# Allegro board BeagleBone-AI.brd (continued)
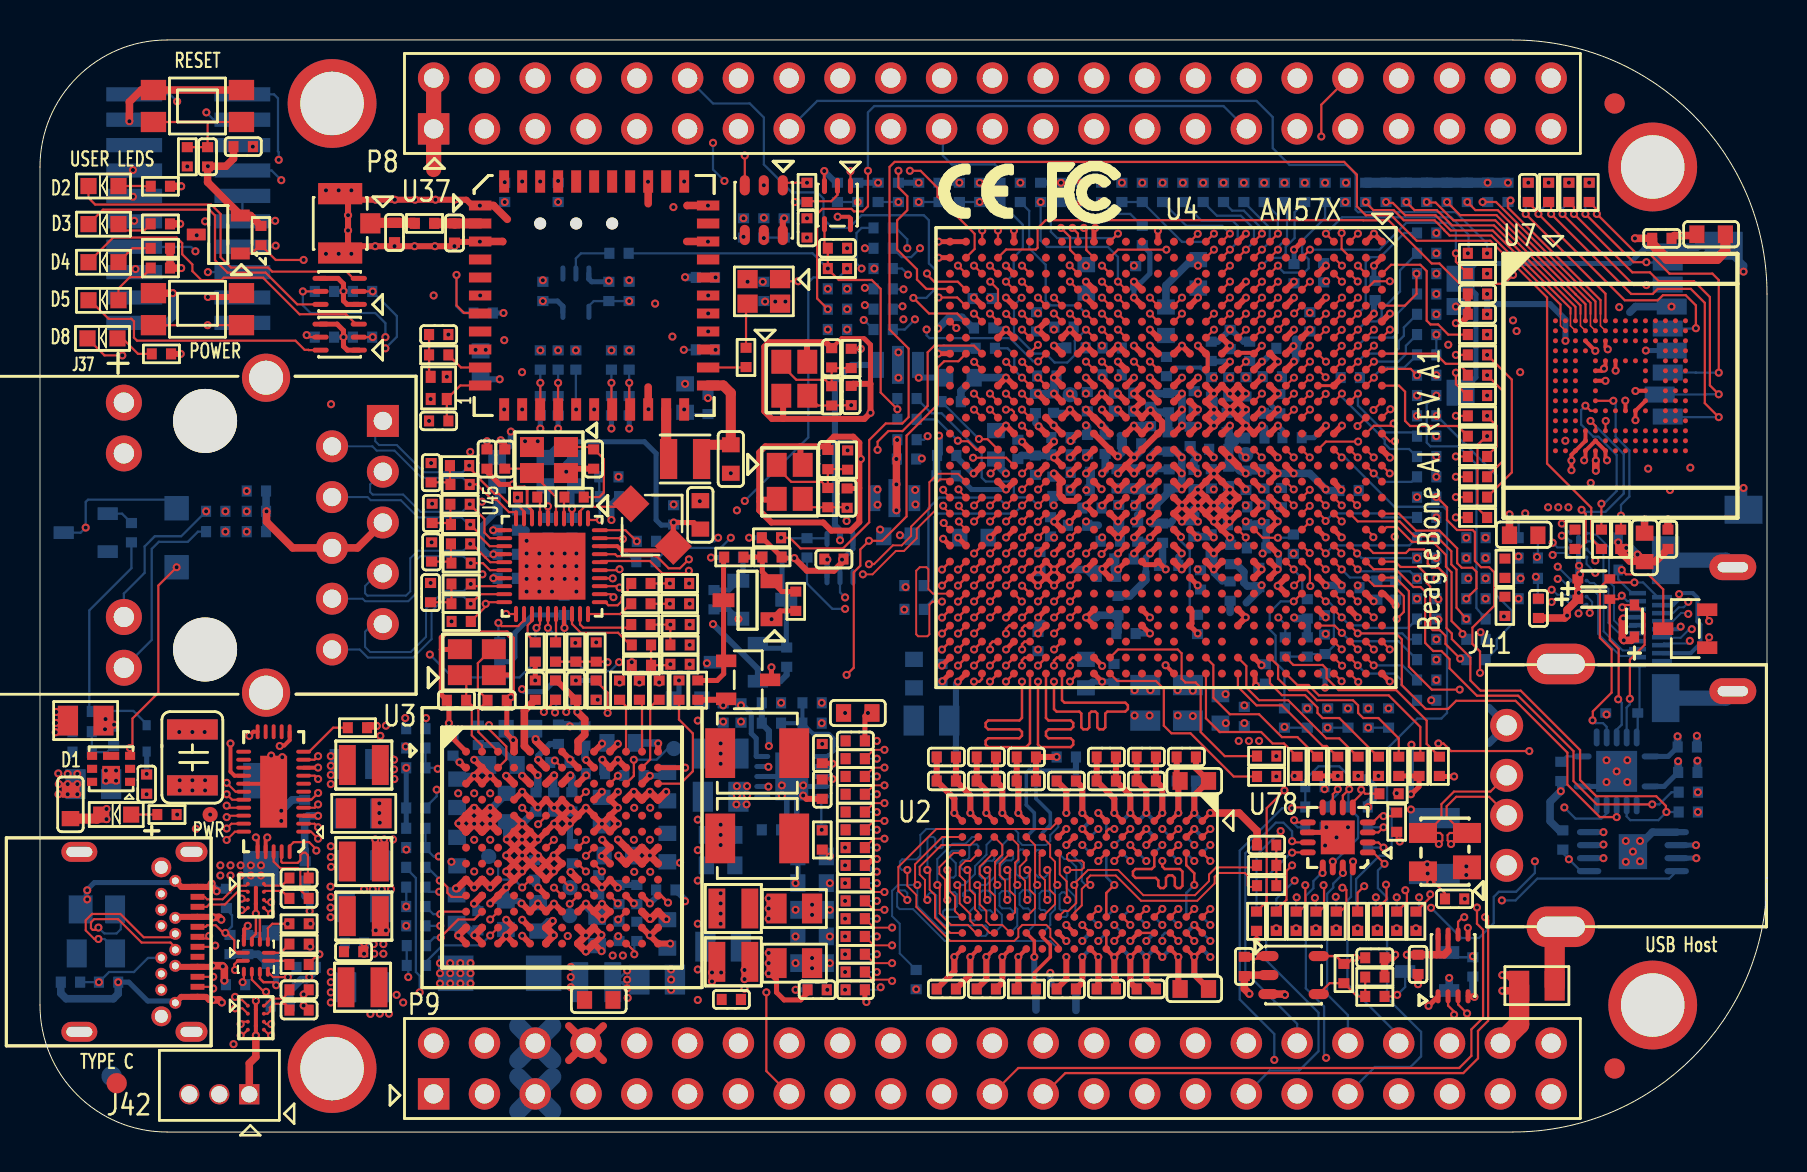
[diagram p0: board, top side]
## Routing (per net, layer and track width the routed paths; a pad name or vN(x,y) marks a point on that pad's centre or on a via; arc(x,y) is an arc through that point) (continued)
DDR1_D11: length 30.3
  TOP w0.127: U4.AF28 47.1,22.65 46.98,22.52 v1(46.7,22.52)
  SIG_L10 w0.121: v1(46.7,22.52) 46.7,22.13 46.61,22.04 46.61,20.94 46.91,20.64 50.21,20.64 50.33,20.52 50.33,18.74 52.37,16.71 53.21,16.71 53.33,16.58 53.33,13.28 53.46,13.15 53.7,13.15 53.83,13.02 53.83,12.9 53.7,12.77 53.45,12.77 53.32,12.64 53.32,12.07 53.45,11.94 53.72,11.94 53.83,11.83 53.83,11.68 53.72,11.56 53.46,11.56 53.29,11.39 53.29,10.91 53.46,10.74 53.83,10.74 54.14,11.06 54.14,11.5 54.27,11.63 54.53,11.63 54.65,11.75 54.65,11.94 54.53,12.07 54.27,12.07 54.14,12.2 54.14,12.39 54.27,12.52 54.53,12.52 54.65,12.64 54.65,12.83 54.53,12.96 54.27,12.96 54.14,13.09 54.14,13.85 54.27,13.98 54.79,13.98 54.91,14.1 54.91,14.62 54.79,14.74 54.27,14.74 54.1,14.91 54.1,15.39 54.28,15.57 56.13,15.57 56.26,15.44 56.26,15.29 v1(56.12,15.15)
  BOTTOM w0.127: U11.C8 v1(56.12,15.15)
DDR1_D12: length 30.4
  TOP w0.127: U4.AE26 47.64,24.52 47.51,24.4 v1(47.51,24.13)
  SIG_L10 w0.121: v1(47.51,24.13) 47.51,23.89 47.64,23.76 50.03,23.76 50.33,23.45 50.33,23.06 50.46,22.93 50.84,22.93 51.1,22.68 51.1,22.23 51.22,22.1 51.8,22.1 51.92,21.98 51.92,20.32 52.05,20.2 53.45,20.2 53.57,20.07 53.57,18.99 53.7,18.87 57.19,18.87 59.67,16.39 59.67,12.07 59.54,11.94 57.65,11.94 57.52,11.82 57.52,11.56 57.4,11.44 57.19,11.44 57.07,11.56 57.07,12.52 56.94,12.64 56.62,12.64 56.49,12.52 56.49,10.48 56.62,10.35 v1(56.92,10.35)
  BOTTOM w0.127: U11.C3 v1(56.92,10.35)
DDR1_D13: length 30.4
  TOP w0.127: v1(49.11,24.93) 49.11,25.2 49.24,25.32 U4.AC25
  SIG_L10 w0.121: v1(49.11,24.93) 49.39,24.93 49.8,25.34 50.03,25.34 50.33,25.04 50.33,24.78 50.6,24.52 51.43,24.52 52.3,23.64 52.3,23.06 52.68,22.68 52.68,21.09 52.81,20.96 54.21,20.96 54.34,20.83 54.34,20.2 54.46,20.07 56.11,20.07 56.56,19.63 57.45,19.63 60.88,16.2 60.88,14.93 60.43,14.48 60.43,14.23 60.88,13.79 60.88,12.14 58.7,9.95 58.29,9.95 58.11,10.13 58.11,10.56 57.93,10.74 57.52,10.74 57.35,10.56 57.35,10.13 57.17,9.95 U11.C2 v1(56.12,9.55)
  BOTTOM w0.127: v1(56.12,9.55) 56.12,9.82 56.26,9.95 U11.C2
DDR1_D14: length 30.4
  TOP w0.127: U4.AC24 v1(49.11,25.73)
  SIG_L10 w0.121: v1(49.11,25.73) 49.33,25.73 49.45,25.62 49.45,25.46 49.33,25.34 48.81,25.34 48.69,25.46 48.69,25.88 48.44,26.14 48.13,26.14 47.91,25.92 47.91,25.47 47.79,25.34 47.34,25.34 47.22,25.23 47.22,25.07 47.34,24.96 47.79,24.96 47.91,24.84 47.91,24.71 47.76,24.56 46.55,24.56 46.32,24.33 46.32,23.95 46.55,23.72 46.88,23.72 47.11,23.49 47.11,23.32 47.11,23.31 47.11,21.15 47.24,21.03 50.59,21.03 50.72,20.9 50.72,19.44 51.22,18.93 51.22,18.36 52.49,17.09 53.57,17.09 53.7,16.96 53.7,16.45 53.82,16.33 56.36,16.33 56.54,16.15 56.54,15.68 56.66,15.56 57.19,15.56 57.32,15.69 57.32,16.2 57.48,16.36 57.89,16.36 58.13,16.11 58.13,14.04 58.26,13.91 58.39,13.91 58.52,14.04 v1(58.52,14.35)
  BOTTOM w0.127: U11.A7 v1(58.52,14.35)
DDR1_D15: length 30.4
  TOP w0.127: U4.AD25 48.46,25.32 48.3,25.16 v1(48.3,24.92)
  SIG_L10 w0.121: v1(58.52,10.35) 58.52,10.63 58.11,11.04 58.11,11.44 58.23,11.56 59.8,11.56 60.05,11.82 60.05,12.26 60.18,12.39 60.37,12.39 60.49,12.52 60.49,12.71 60.37,12.83 60.18,12.83 60.05,12.96 60.05,13.18 60.17,13.3 60.37,13.3 60.49,13.42 60.49,13.65 60.37,13.78 60.17,13.78 60.05,13.9 60.05,14.8 60.18,14.93 60.37,14.93 60.49,15.06 60.49,15.25 60.37,15.37 60.18,15.37 60.05,15.5 60.05,15.69 60.18,15.82 60.37,15.82 60.47,15.92 60.47,16.09 57.32,19.25 56.24,19.25 56.11,19.37 56.11,19.56 55.99,19.69 55.41,19.69 55.29,19.56 55.29,19.37 55.16,19.25 54.97,19.25 54.84,19.37 54.84,19.56 54.72,19.69 54.53,19.69 54.4,19.56 54.4,19.37 54.27,19.25 54.08,19.25 53.95,19.37 53.95,20.45 53.83,20.58 52.44,20.58 52.3,20.72 52.3,22.55 51.92,22.93 51.92,23.57 51.73,23.76 50.5,23.76 50.33,23.92 50.33,24.24 50.06,24.51 48.39,24.51 48.3,24.59 v1(48.3,24.92)
  BOTTOM w0.127: U11.A3 v1(58.52,10.35)
DDR1_D16: length 31.5
  TOP w0.127: U4.V20 v1(53.08,28.91) ; U2.H8 v1(52.12,10.35)
  INT_L3 w0.121: v1(53.08,28.91) 52.74,28.56 52.74,28.02 53.81,26.95 54.92,26.95 58.92,22.96 58.92,12.07 58.16,11.31 58.16,11.02 57.85,10.72 57.57,10.72 57.36,10.51 57.36,10.2 57.07,9.92 56.77,9.92 56.56,9.71 56.56,9.4 56.27,9.12 55.97,9.12 55.76,8.91 55.76,8.61 55.5,8.35 54.41,8.35 54.16,8.6 54.16,8.89 53.9,9.14 53.58,9.14 53.29,9.44 53.29,9.71 53.05,9.94 52.53,9.94 v1(52.12,10.35)
DDR1_D17: length 31.5
  TOP w0.127: U4.W20 v1(52.31,28.93) ; U2.H7 v1(52.92,11.15)
  INT_L3 w0.121: v1(52.31,28.93) 51.94,29.3 51.37,29.3 51.1,29.03 51.1,26.42 51.38,26.14 53.7,26.14 55.55,24.29 56.57,24.29 58.22,22.64 58.22,16.97 57.32,16.07 57.32,11.75 57.09,11.52 56.77,11.52 56.56,11.31 56.56,11 56.27,10.72 55.97,10.72 55.76,10.51 55.76,10.19 55.52,9.95 53.52,9.95 53.32,10.15 53.32,10.75 v1(52.92,11.15)
DDR1_D18: length 31.3
  TOP w0.127: v1(49.9,22.52) 49.9,19.37 50.03,19.25 51.54,19.25 51.67,19.37 51.67,19.56 51.54,19.69 50.43,19.69 50.3,19.82 50.3,20.01 50.43,20.14 51.54,20.14 51.67,20.26 51.67,20.45 51.54,20.58 50.43,20.58 50.3,20.71 U4.AB28 ; U2.E3 v1(54.52,14.35)
  INT_L3 w0.121: v1(49.9,22.52) 49.9,22.77 50.03,22.9 50.99,22.9 51.12,23.02 51.12,23.5 51.45,23.82 51.45,24.48 51.57,24.61 53.71,24.61 53.84,24.48 53.84,23.28 53.96,23.15 54.6,23.15 54.73,23.02 54.73,22.64 54.85,22.51 56,22.51 56.18,22.33 56.18,17.42 54.92,16.15 54.92,14.75 v1(54.52,14.35)
DDR1_D19: length 31.5
  TOP w0.127: U4.AC28 49.5,19.44 49.31,19.25 47.41,19.25 47.29,19.37 47.29,19.56 47.41,19.69 48.98,19.69 49.1,19.82 49.1,20.01 48.98,20.14 47.41,20.14 47.29,20.26 47.29,20.45 47.41,20.58 48.98,20.58 49.1,20.71 v1(49.1,22.52) ; U2.F2 v1(54.52,15.15)
  INT_L3 w0.121: v1(54.52,15.15) 54.52,14.94 54.33,14.75 53.52,14.75 53.32,14.95 53.32,16.35 53.19,16.48 53.01,16.48 52.88,16.61 52.88,16.8 53.01,16.93 54.41,16.93 54.53,17.05 54.53,20.29 54.66,20.42 54.98,20.42 55.11,20.55 55.11,21.12 54.98,21.24 54.6,21.24 54.15,21.69 49.23,21.69 49.1,21.82 v1(49.1,22.52)
DDR1_D20: length 31.2
  TOP w0.127: v1(49.1,23.32) 49.1,23.6 49.23,23.72 U4.AC27 ; v1(53.72,15.15) 53.45,15.15 53.32,15.03 U2.G2
  INT_L3 w0.121: v1(49.1,23.32) 49.51,22.92 49.51,22.2 49.64,22.07 51.77,22.07 51.89,22.2 51.89,24.1 52.02,24.23 52.2,24.23 52.32,24.1 52.32,22.2 52.45,22.07 52.6,22.07 52.73,22.2 52.73,24.1 52.86,24.23 53.37,24.23 53.49,24.1 53.49,22.2 53.62,22.07 53.77,22.07 53.9,22.2 53.9,22.64 54.03,22.77 54.22,22.77 54.34,22.64 54.34,21.96 54.68,21.63 55.73,21.63 55.86,21.5 55.86,20.16 55.73,20.04 55.04,20.04 54.92,19.91 54.92,19.72 55.04,19.59 55.68,19.59 55.8,19.47 55.8,19.28 55.68,19.15 55.04,19.15 54.92,19.02 54.92,18.83 55.04,18.7 55.68,18.7 55.8,18.58 55.8,18.39 55.68,18.26 55.04,18.26 54.92,18.13 54.92,17.94 55.04,17.82 55.68,17.82 55.8,17.69 55.8,17.5 55.68,17.37 55.04,17.37 54.92,17.24 54.92,16.67 54.79,16.55 54.25,16.55 54.12,16.42 54.12,15.31 53.97,15.15 v1(53.72,15.15)
DDR1_D21: length 31
  TOP w0.127: U2.F7 v1(54.52,10.35) ; v1(51.5,29.73) U4.Y19
  INT_L3 w0.121: v1(54.52,10.35) 54.92,10.75 55.52,10.75 55.72,10.95 55.72,11.28 56,11.55 56.32,11.55 56.52,11.75 56.52,16.23 56.64,16.35 57.07,16.35 57.84,17.12 57.84,20.04 57.28,20.6 57.28,23.07 56.44,23.91 56,23.91 55.87,23.78 55.87,23.53 55.74,23.4 55.55,23.4 55.42,23.53 55.42,23.78 55.3,23.91 54.73,23.91 54.6,24.04 54.6,24.74 53.99,25.35 51.33,25.35 51.12,25.55 51.12,25.87 50.85,26.14 50.55,26.14 50.32,26.37 50.32,29.98 50.46,30.12 51.33,30.12 51.46,30 51.46,29.77 v1(51.5,29.73)
DDR1_D22: length 31.1
  TOP w0.127: U2.H3 v1(52.92,14.35) ; U4.AB27 v1(49.9,23.32)
  INT_L3 w0.121: v1(49.9,23.32) 49.84,23.39 49.6,23.39 49.26,23.74 48.84,23.74 48.71,23.61 48.71,21.43 48.84,21.31 54.03,21.31 54.15,21.18 54.15,20.99 54.03,20.86 52.74,20.86 52.62,20.74 52.62,20.55 52.74,20.42 54.03,20.42 54.15,20.29 54.15,20.1 54.03,19.97 52.77,19.97 52.64,19.85 52.64,19.66 52.77,19.53 54.03,19.53 54.15,19.4 54.15,19.21 54.03,19.09 52.82,19.09 52.69,18.96 52.69,18.77 52.82,18.64 54.03,18.64 54.15,18.51 54.15,18.32 54.03,18.2 52.82,18.2 52.69,18.07 52.69,17.88 52.82,17.75 54.03,17.75 54.15,17.62 54.15,17.43 54.03,17.31 52.63,17.31 52.5,17.18 52.5,15.66 52.38,15.53 51.87,15.53 51.74,15.4 51.74,14.89 51.87,14.77 52.88,14.77 53.01,14.64 53.01,14.42 52.95,14.35 v1(52.92,14.35)
DDR1_D23: length 31.1
  TOP w0.127: U4.Y20 51.54,28.96 v1(51.54,28.91) ; U2.F8 v1(53.72,9.55)
  INT_L3 w0.121: v1(51.54,28.91) 51.81,28.63 51.82,28.63 51.92,28.53 51.92,26.71 52.08,26.55 52.31,26.55 52.44,26.68 52.44,27.28 52.57,27.4 52.76,27.4 52.88,27.28 52.88,26.68 53.01,26.55 54.73,26.55 54.85,26.43 54.85,25.48 54.98,25.35 56.01,25.35 58.59,22.77 58.59,16.58 58.12,16.11 58.12,11.75 57.89,11.52 57.57,11.52 57.36,11.31 57.36,11 57.07,10.72 56.77,10.72 56.56,10.51 56.56,10.2 56.27,9.92 55.97,9.92 55.76,9.71 55.76,9.4 55.52,9.16 54.36,9.16 53.97,9.55 v1(53.72,9.55)
DDR1_D24: length 30.4
  TOP w0.127: U4.AA23 v1(50.71,26.53) ; U2.A7 v1(58.52,11.15)
  SIG_L8 w0.121: v1(58.52,11.15) 58.27,11.15 58.15,11.03 58.15,10.87 58.27,10.74 59.54,10.74 59.67,10.87 59.67,11.06 59.54,11.18 59.29,11.18 59.16,11.31 59.16,11.5 59.29,11.63 59.54,11.63 59.67,11.75 59.67,17.79 58.84,18.61 58.21,18.61 57.95,18.36 57.57,18.36 57.32,18.61 56.24,18.61 55.92,18.93 55.92,19.88 55.8,20.01 55.35,20.01 55.22,20.14 55.22,20.33 55.35,20.45 55.8,20.45 55.92,20.58 55.92,21.03 55.73,21.22 54.46,21.22 54.34,21.34 54.34,22.36 54.59,22.61 54.59,22.99 54.46,23.12 54.08,23.12 53.95,22.99 53.95,22.68 53.83,22.55 53.64,22.55 53.51,22.68 53.51,24.01 52.56,24.96 51.72,24.96 51.12,25.57 51.12,26.8 50.99,26.93 50.65,26.93 50.53,26.8 50.53,26.66 50.65,26.53 v1(50.71,26.53)
DDR1_D25: length 30.4
  TOP w0.127: U2.D7 v1(56.12,11.15) ; U4.Y22 v1(51.51,27.33)
  SIG_L8 w0.121: v1(56.12,11.15) 56.52,10.75 56.52,9.31 56.68,9.15 57.05,9.15 57.32,8.88 57.32,8.58 57.52,8.38 58.71,8.38 61.26,10.93 61.26,17.72 57.29,21.69 56.74,21.69 56.49,21.93 56.49,22.58 52.02,27.05 51.78,27.05 v1(51.51,27.33)
DDR1_D26: length 30.3
  TOP w0.127: U2.C8 v1(56.92,9.55) ; U4.Y23 v1(51.51,26.53)
  SIG_L8 w0.121: v1(56.92,9.55) 57.17,9.55 57.57,9.15 58.97,9.15 60.43,10.61 60.43,11.38 60.55,11.5 60.81,11.5 60.93,11.62 60.93,11.86 60.81,11.98 60.55,11.98 60.43,12.1 60.43,12.34 60.55,12.46 60.81,12.46 60.93,12.58 60.93,12.83 60.81,12.95 60.55,12.95 60.43,13.07 60.43,13.31 60.55,13.43 60.81,13.43 60.93,13.55 60.93,13.79 60.81,13.91 60.55,13.91 60.43,14.03 60.43,14.62 60.55,14.74 60.81,14.74 60.93,14.86 60.93,15.1 60.81,15.22 60.55,15.22 60.43,15.34 60.43,15.58 60.55,15.7 60.81,15.7 60.93,15.83 60.93,16.07 60.81,16.19 60.55,16.19 60.43,16.31 60.43,16.55 60.55,16.67 60.81,16.67 60.93,16.79 60.93,17.03 60.81,17.15 60.55,17.15 60.43,17.27 60.43,18.04 58.08,20.39 57.51,20.39 57.27,20.63 57.27,21.2 57.13,21.34 56.62,21.34 56.11,21.85 56.11,22.49 52.07,26.53 v1(51.51,26.53)
DDR1_D27: length 29.9
  TOP w0.127: U4.AA24 v1(50.71,25.73) ; U2.C3 v1(56.92,14.35)
  SIG_L8 w0.121: v1(56.92,14.35) 56.92,14.5 56.79,14.62 56.63,14.62 56.51,14.5 56.51,14.07 56.63,13.94 57.22,13.94 57.35,14.07 57.35,14.61 57.47,14.74 57.87,14.74 58.11,14.98 58.11,15.41 57.95,15.57 55.04,15.57 54.91,15.69 54.91,16.25 54.78,16.39 54.65,16.39 54.53,16.52 54.53,16.71 54.65,16.83 55.16,16.83 55.29,16.96 55.29,17.15 55.16,17.28 53.32,17.28 53.19,17.41 53.19,17.6 53.32,17.72 55.16,17.72 55.29,17.85 55.29,18.04 55.16,18.17 53.32,18.17 53.19,18.29 53.19,20.33 53.07,20.45 52.18,20.45 52.05,20.58 52.05,20.77 52.18,20.9 53.07,20.9 53.19,21.03 53.19,21.22 53.07,21.34 52.18,21.34 52.05,21.47 52.05,22.04 51.92,22.17 51.73,22.17 51.6,22.04 51.6,21.79 51.48,21.66 51.24,21.66 51.11,21.79 51.11,25.08 50.71,25.48 v1(50.71,25.73)
DDR1_D28: length 29.9
  TOP w0.127: U4.Y24 v1(51.51,25.73) ; U2.B8 v1(57.72,9.55)
  SIG_L8 w0.121: v1(51.51,25.73) 51.51,26.03 51.63,26.16 51.8,26.16 51.92,26.03 51.92,25.47 52.04,25.35 52.74,25.35 55.12,22.97 55.12,21.84 55.24,21.72 55.74,21.72 56.3,21.15 56.3,19.12 56.43,18.99 56.62,18.99 56.75,19.12 56.75,20.2 56.88,20.33 57.07,20.33 57.19,20.2 57.19,19.12 57.32,18.99 57.51,18.99 57.64,19.12 57.64,19.88 57.76,20.01 57.95,20.01 58.08,19.88 58.08,19.12 58.21,18.99 58.97,18.99 60.05,17.91 60.05,10.74 59.29,9.98 57.83,9.98 57.7,9.85 57.7,9.55 v1(57.72,9.55)
DDR1_D29: length 30.3
  TOP w0.127: U2.A2 v1(58.52,15.15) ; U4.AA26 v1(50.71,24.13)
  SIG_L8 w0.121: v1(58.52,15.15) 58.52,14.92 58.12,14.52 58.12,13.38 57.83,13.09 56.66,13.09 56.53,12.96 56.53,12.24 56.24,11.94 54.97,11.94 54.84,12.07 54.84,12.96 54.65,13.15 54.27,13.15 54.14,13.28 54.14,13.66 53.83,13.98 53.57,13.98 53.32,14.23 53.32,14.48 53.07,14.74 52.81,14.74 52.53,15.02 52.53,16.1 51.6,17.02 51.6,19.18 51.18,19.61 50.52,19.61 50.4,19.73 50.4,20.39 49.5,21.29 49.19,21.29 49.06,21.41 49.06,21.91 49.51,22.36 49.51,23.5 49.32,23.69 47.22,23.69 47.1,23.82 47.1,24.84 47.22,24.96 47.79,24.96 47.92,24.84 47.92,24.66 48.04,24.54 50.56,24.54 50.71,24.39 v1(50.71,24.13)
DDR1_D30: length 30.3
  TOP w0.127: U4.AA25 v1(50.71,24.93) ; U2.A3 v1(58.52,13.55)
  SIG_L8 w0.121: v1(50.71,24.93) 50.29,25.35 46.47,25.35 46.33,25.22 46.33,23.06 46.46,22.93 48.43,22.93 48.68,22.68 48.68,21.03 48.8,20.91 49.37,20.91 50.02,20.26 50.02,19.4 50.14,19.28 51,19.28 51.22,19.06 51.22,16.83 51.73,16.33 51.73,15.01 52,14.74 52.3,14.74 52.49,14.55 52.49,14.23 52.75,13.98 53.07,13.98 53.32,13.72 53.32,13.42 53.97,12.77 54.34,12.77 54.46,12.64 54.46,11.69 54.59,11.56 56.37,11.56 57.55,12.75 58,12.75 58.53,13.28 58.53,13.55 v1(58.52,13.55)
DDR1_D31: length 30.2
  TOP w0.127: U2.C2 v1(56.92,15.15) ; v1(50.7,22.52) 50.7,21.15 50.83,21.03 51.97,21.03 52.07,20.93 52.07,20.24 52.17,20.14 52.37,20.14 52.47,20.24 52.47,20.93 52.57,21.03 52.77,21.03 52.87,20.93 52.87,20.24 52.97,20.14 53.17,20.14 53.27,20.24 53.27,20.93 53.37,21.03 54.27,21.03 54.4,21.15 54.4,21.34 54.27,21.47 51.23,21.47 51.1,21.6 U4.AA28
  SIG_L8 w0.121: v1(56.92,15.15) 56.66,15.15 56.24,14.74 55.86,14.74 55.73,14.61 55.73,14.23 55.48,13.98 55.17,13.98 54.91,14.24 54.91,14.61 54.78,14.74 54.4,14.74 54.13,15.01 54.13,16.71 54.01,16.83 52.94,16.83 52.81,16.96 52.81,17.22 52.68,17.34 52.44,17.34 52.31,17.47 52.31,17.66 52.44,17.79 52.68,17.79 52.81,17.91 52.81,18.17 52.68,18.29 52.44,18.29 52.31,18.42 52.31,18.61 52.44,18.74 52.68,18.74 52.81,18.87 52.81,19.06 52.68,19.18 52.49,19.18 52.37,19.31 52.37,19.5 52.49,19.63 52.68,19.63 52.81,19.76 52.81,19.95 52.68,20.07 52.05,20.07 51.67,20.45 51.67,21.15 51.54,21.28 50.83,21.28 50.7,21.41 v1(50.7,22.52)
DDR1_DQM0: length 32.5
  TOP w0.127: U4.AD23 v1(49.1,26.53)
  SIG_L5 w0.121: v1(55.32,13.55) 55.35,13.55 55.35,13.02 55.48,12.9 57.19,12.9 57.32,13.02 57.32,16.45 57.45,16.58 57.64,16.58 57.76,16.71 57.76,16.9 57.64,17.02 57.45,17.02 57.32,17.15 57.32,17.34 57.45,17.47 57.64,17.47 57.76,17.6 57.76,17.79 57.64,17.91 56.05,17.91 55.92,18.04 55.92,18.23 56.05,18.36 57.19,18.36 57.32,18.49 57.32,18.68 57.19,18.8 56.04,18.8 55.92,18.92 55.92,19.95 55.79,20.07 55.56,20.07 55.43,19.95 55.43,18.92 55.31,18.8 55.07,18.8 54.95,18.92 54.95,19.95 54.82,20.07 54.6,20.07 54.47,19.95 54.47,18.92 54.35,18.8 54.08,18.8 53.95,18.93 53.95,21.98 53.83,22.1 52.43,22.1 52.3,22.23 52.3,24.01 51.8,24.52 50.52,24.52 50.33,24.71 50.33,25.03 50.02,25.34 49.76,25.34 49.5,25.6 49.5,25.88 49.1,26.28 v1(49.1,26.53)
  BOTTOM w0.127: U11.E7 v1(55.32,13.55)
DDR1_DQM1: length 30.5
  TOP w0.127: U4.AB23 49.93,26.55 49.92,26.55 v1(49.9,26.54)
  SIG_L10 w0.121: v1(49.9,26.54) 50.16,26.54 50.59,26.1 50.91,26.1 51.1,25.92 51.1,25.6 51.35,25.34 51.6,25.34 54.34,22.61 54.34,21.94 54.58,21.69 55.51,21.69 56.81,20.39 57.7,20.39 61.64,16.45 61.64,11.88 58.91,9.15 55.97,9.15 55.73,9.39 55.73,9.96 v1(56.12,10.35)
  BOTTOM w0.127: U11.D3 v1(56.12,10.35)
DDR1_DQM2: length 31.2
  TOP w0.127: U2.E7 v1(55.32,11.15) ; v1(49.11,24.13) 49.11,24.4 49.24,24.52 U4.AC26
  INT_L3 w0.121: v1(49.11,24.13) 49.35,24.13 49.73,23.75 50.92,23.75 51.12,23.95 51.12,24.75 51.32,24.95 53.87,24.95 54.22,24.61 54.22,23.66 54.34,23.53 54.98,23.53 55.11,23.4 55.11,23.02 55.23,22.9 56.39,22.9 56.52,22.77 56.52,20.16 56.64,20.04 57.33,20.04 57.46,19.91 57.46,19.72 57.33,19.59 56.64,19.59 56.52,19.47 56.52,19.28 56.64,19.15 57.33,19.15 57.46,19.02 57.46,18.83 57.33,18.7 56.64,18.7 56.52,18.58 56.52,18.39 56.64,18.26 57.33,18.26 57.46,18.13 57.46,17.94 57.33,17.82 56.64,17.82 56.52,17.69 56.52,17.5 56.64,17.37 57.14,17.37 57.27,17.24 57.27,17.05 57.14,16.93 56.25,16.93 55.72,16.4 55.72,13.31 55.85,13.18 56.06,13.18 56.19,13.05 56.19,12.86 56.05,12.73 55.82,12.73 55.7,12.6 55.7,12.41 55.82,12.28 56.06,12.28 56.19,12.16 56.19,12.04 56.06,11.91 55.74,11.91 55.32,11.49 v1(55.32,11.15)
DDR1_DQM3: length 30
  TOP w0.127: v1(56.12,13.55) 56.12,13.28 56.25,13.15 57,13.15 57.13,13.02 57.13,12.31 57.02,12.2 56.86,12.2 56.75,12.31 56.75,12.71 56.62,12.83 56.43,12.83 56.3,12.71 56.3,12.31 56.19,12.2 56.03,12.2 55.92,12.31 55.92,12.58 55.8,12.71 54.78,12.71 54.65,12.83 54.65,13.02 54.78,13.15 55.59,13.15 55.72,13.28 U2.D3 ; v1(50.7,23.32) 50.7,23.58 50.85,23.72 U4.AA27
  SIG_L8 w0.121: v1(56.12,13.55) 56.18,13.55 56.24,13.62 56.24,13.85 56.11,13.98 55.96,13.98 55.73,13.75 55.73,12.9 55.86,12.77 56.05,12.77 56.18,12.64 56.18,12.41 56.05,12.29 55.35,12.29 55.22,12.41 55.22,13.09 54.91,13.41 54.91,13.76 54.69,13.98 54.34,13.98 54.14,14.17 54.14,14.48 53.89,14.74 53.57,14.74 53.32,14.99 53.32,15.31 53.13,15.5 53.13,15.64 53.32,15.83 53.32,16.14 53.1,16.36 52.78,16.36 51.99,17.15 51.99,19.63 51.67,19.95 50.91,19.95 50.78,20.07 50.78,20.33 50.91,20.45 51.16,20.45 51.29,20.58 51.29,20.77 51.16,20.9 50.4,20.9 50.27,21.03 50.27,21.47 50.14,21.6 49.7,21.6 49.57,21.72 49.57,21.91 49.7,22.04 50.14,22.04 50.27,22.17 50.27,22.68 50.4,22.8 50.4,23.06 50.27,23.18 50.27,23.63 50.4,23.76 50.58,23.76 50.7,23.63 v1(50.7,23.32)
DDR1_DQS0: length 32.4
  TOP w0.127: v1(45.1,24.92) U4.AH25
  SIG_L5 w0.094: v1(45.1,24.92) 45.1,24.9 45.04,24.84 44.81,24.84 44.68,24.96 44.68,25.15 44.56,25.28 44.43,25.28 44.3,25.15 44.3,25.03 44.18,24.9 44.05,24.9 43.92,25.03 43.92,25.15 43.79,25.28 43.67,25.28 43.54,25.15 43.54,25.03 43.41,24.9 43.29,24.9 43.16,25.03 43.16,25.15 43.03,25.28 40.09,25.28 39.8,24.99 39.8,20.42 39.95,20.27 46.79,20.27 50.19,16.86 50.19,14.91 51.23,13.87 52.04,13.87 53.34,12.57 53.34,12.19 54.08,11.45 54.08,11.31 54.24,11.15 v1(54.52,11.15)
  BOTTOM w0.127: U11.F3 v1(54.52,11.15)
DDR1_DQS1: length 30.5
  TOP w0.127: U4.AE27 v1(47.5,23.32)
  SIG_L10 w0.102: v1(47.5,23.32) 47.92,22.61 47.92,21.85 48.05,21.72 51.2,21.72 51.48,21.45 51.48,19.8 51.58,19.69 52.62,19.69 52.94,19.37 52.94,18.68 52.68,18.42 52.68,17.91 52.81,17.79 53.51,17.79 53.64,17.91 53.64,18.15 53.91,18.42 54.31,18.42 54.59,18.15 54.59,17.15 54.72,17.02 54.91,17.02 55.03,17.15 55.03,18.15 55.31,18.42 55.71,18.42 55.99,18.15 55.99,17.15 56.11,17.02 56.3,17.02 56.43,17.15 56.43,18.15 56.71,18.42 57.11,18.42 57.38,18.15 57.38,17.19 57.49,17.09 58.28,17.09 59.26,16.11 59.26,13.02 59.01,12.77 57.34,12.77 57.07,13.05 57.07,13.41 56.92,13.55 v1(56.92,13.55)
  BOTTOM w0.127: U11.C7 v1(56.92,13.55)
DDR1_DQS2: length 31.3
  TOP w0.102: U2.F3 v1(53.72,13.55)
  TOP w0.127: U4.AD27 v1(48.3,23.32)
  INT_L3 w0.102: v1(48.3,23.32) 47.87,22.55 47.87,22 48.13,21.74 48.13,20.76 48.48,20.42 49.9,20.42 50.09,20.42 50.22,20.29 50.22,19.42 50.49,19.15 51.02,19.15 51.3,19.42 51.3,20.29 51.42,20.42 51.74,20.42 51.87,20.29 51.87,18.51 51.74,18.39 50.37,18.39 50.09,18.11 50.09,17.46 50.37,17.18 51.74,17.18 51.87,17.05 51.87,16.7 51.76,16.59 50.38,16.59 50.09,16.3 50.09,15.81 50.37,15.53 50.53,15.53 50.66,15.4 50.66,15.02 50.53,14.89 50.17,14.89 49.9,14.62 49.9,13.95 50.17,13.68 51.73,13.68 53.04,12.36 53.04,11.8 53.31,11.53 54.88,11.53 55.2,11.85 55.2,12.81 54.83,13.18 54.09,13.18 v1(53.72,13.55)
DDR1_DQS3: length 29.9
  TOP w0.127: U4.Y28 v1(51.5,22.52) ; U2.C7 v1(56.92,11.15)
  SIG_L8 w0.094: v1(56.92,11.15) 57.33,11.57 57.33,11.69 57.63,11.99 58.77,11.99 58.91,12.12 58.91,17.66 58.72,17.85 58.46,17.85 58.34,17.72 58.34,16.64 58.03,16.34 57.51,16.34 57.21,16.64 57.21,17.72 57.08,17.85 56.88,17.85 56.75,17.72 56.75,16.64 56.44,16.34 55.99,16.34 55.68,16.64 55.68,18.1 55.1,18.69 53.94,18.69 53.65,18.98 53.65,19.4 53.94,19.69 54.46,19.69 54.59,19.82 54.59,20.01 54.46,20.14 53.96,20.14 53.65,20.44 53.65,21.66 53.51,21.8 52.75,21.8 52.43,22.12 52.43,24.09 52.32,24.2 52.11,24.2 51.99,24.07 51.99,23.01 v1(51.5,22.52)
DDR1_DQSN0: length 32.3
  TOP w0.127: U4.AG25 v1(45.9,24.92)
  SIG_L5 w0.094: v1(53.72,11.15) 53.72,11.38 53.04,12.07 53.04,12.45 51.92,13.56 51.1,13.56 49.89,14.78 49.89,16.74 46.66,19.96 39.83,19.96 39.5,20.29 39.5,25.12 39.96,25.58 44.7,25.58 44.94,25.34 45.22,25.34 45.62,24.94 45.9,24.94 v1(45.9,24.92)
  BOTTOM w0.127: U11.G3 v1(53.72,11.15)
DDR1_DQSN1: length 30.4
  TOP w0.127: U4.AE28 v1(47.5,22.52)
  SIG_L10 w0.102: v1(47.5,22.52) 47.54,22.52 47.67,22.4 47.67,22.04 47.44,21.81 47.44,21.6 47.57,21.47 51.1,21.47 51.22,21.34 51.22,19.69 51.48,19.44 52.52,19.44 52.68,19.27 52.68,18.78 52.43,18.53 52.43,17.81 52.71,17.53 53.62,17.53 53.89,17.81 53.89,18.04 54.02,18.17 54.21,18.17 54.34,18.04 54.34,17.05 54.61,16.77 55.01,16.77 55.29,17.05 55.29,18.04 55.41,18.17 55.61,18.17 55.73,18.04 55.73,17.05 56.01,16.77 56.41,16.77 56.68,17.05 56.68,18.04 56.81,18.17 57,18.17 57.13,18.04 57.13,17.09 57.38,16.83 58.17,16.83 59,16 59,13.13 58.9,13.02 57.45,13.02 57.32,13.15 57.32,13.86 57.43,13.98 57.66,13.98 57.76,13.87 57.76,13.55 v1(57.72,13.55)
  BOTTOM w0.127: U11.B7 v1(57.72,13.55)
DDR1_DQSN2: length 31.2
  TOP w0.127: U2.G3 v1(52.92,13.55) ; U4.AD28 v1(48.3,22.52)
  INT_L3 w0.102: v1(52.92,13.55) 52.82,13.65 52.82,13.85 52.92,13.95 53.22,13.95 53.32,13.85 53.32,13.15 53.55,12.93 54.72,12.93 54.95,12.7 54.95,11.95 54.78,11.78 53.42,11.78 53.3,11.9 53.3,12.46 51.83,13.93 50.28,13.93 50.15,14.06 50.15,14.51 50.28,14.64 50.64,14.64 50.92,14.92 50.92,15.51 50.64,15.78 50.47,15.78 50.34,15.91 50.34,16.19 50.49,16.33 51.86,16.33 52.12,16.59 52.12,17.16 51.85,17.43 50.47,17.43 50.34,17.56 50.34,18.01 50.47,18.13 51.85,18.13 52.12,18.41 52.12,20.4 51.85,20.67 51.32,20.67 51.04,20.4 51.04,19.53 50.92,19.4 50.6,19.4 50.47,19.53 50.47,20.4 50.19,20.67 50.15,20.67 48.58,20.67 48.39,20.87 48.39,21.85 48.13,22.11 48.13,22.41 48.24,22.52 v1(48.3,22.52)
DDR1_DQSN3: length 30
  TOP w0.127: U2.B7 v1(57.72,11.15) ; U4.Y27 51.63,23.72 51.5,23.6 v1(51.5,23.32)
  SIG_L8 w0.094: v1(51.5,23.32) 51.68,23.5 51.68,24.2 51.99,24.5 52.44,24.5 52.73,24.22 52.73,22.25 52.87,22.1 53.64,22.1 53.95,21.79 53.95,20.57 54.08,20.44 54.59,20.44 54.89,20.14 54.89,19.69 54.59,19.39 54.07,19.39 53.95,19.27 53.95,19.11 54.07,18.99 55.22,18.99 55.99,18.23 55.99,16.77 56.11,16.64 56.32,16.64 56.44,16.77 56.44,17.85 56.75,18.15 57.2,18.15 57.51,17.85 57.51,16.77 57.64,16.64 57.9,16.64 58.03,16.77 58.03,17.85 58.34,18.15 58.84,18.15 59.21,17.79 59.21,12 58.9,11.68 57.76,11.68 57.64,11.56 57.64,11.22 57.7,11.15 v1(57.72,11.15)
DDR1_ODT0: length 48.2
  TOP w0.1: v1(43.37,11.6) 42.92,12.05 42.92,13.25 44.82,15.15 50.52,15.15 U2.K1
  TOP w0.127: U4.AE20 v1(47.51,28.93)
  SIG_L5 w0.121: v1(41.85,11.56) 43.32,11.56 v1(43.37,11.6)
  SIG_L10 w0.121: v1(43.37,11.6) 43.37,12.55 43.88,13.06 43.88,18.98 42.98,19.88 42.98,21.03 42.42,21.59 42.42,26.61 42.55,26.73 43.81,26.73 43.94,26.86 43.94,28.13 44.77,28.96 46.16,28.96 46.29,29.08 46.29,29.7 46.41,29.82 47,29.82 47.12,29.7 47.12,29.06 47.24,28.93 v1(47.51,28.93)
  BOTTOM w0.1: R161.1 v1(41.85,11.56) ; U11.K1 50.52,9.55 45.25,9.55 43.66,11.14 42.99,11.14 42.86,11.27 42.86,11.96 42.99,12.08 43.25,12.08 43.37,11.96 v1(43.37,11.6)
DDR1_RASN: length 50.3
  TOP w0.1: U2.J3 51.46,13.95 51.36,13.86 51.36,13.65 51.44,13.57 52.09,13.57 52.2,13.47 52.2,13.22 52.08,13.1 v1(51.37,13.1) ; v1(42.23,19.11) 41.69,19.11 R25.1
  TOP w0.127: U4.AF20 v1(46.71,28.93)
  SIG_L5 w0.121: v1(51.37,13.1) 51.27,13.2 50.92,13.2 49.33,14.8 49.33,16.16 46.38,19.11 v1(42.23,19.11)
  SIG_L8 w0.121: v1(51.37,13.1) 51.16,13.1 50.67,13.59 50.23,13.59 50.1,13.72 50.1,15.07 49.62,15.56 46.36,15.56 46.1,15.81 46.1,16.1 46.36,16.36 46.36,21.15 46.23,21.27 44.97,21.27 43.94,22.3 43.94,25.27 44.8,26.13 49.35,26.13 49.51,26.3 49.51,26.68 49.76,26.93 50.17,26.93 50.29,27.06 50.29,28.38 50.17,28.51 47.13,28.51 v1(46.71,28.93)
  BOTTOM w0.1: v1(51.37,13.1) 51.33,13.07 51.33,12.2 51.78,11.76 51.78,10.81 51.73,10.75 U11.J3
DDR1_RST: length 34.2
  TOP w0.1: U2.T2 45.12,14.75 43.76,13.39 43.76,12.46 43.87,12.35 v1(43.87,12.35)
  TOP w0.127: U4.AG21 v1(45.9,28.12)
  SIG_L8 w0.121: v1(43.87,12.35) 43.81,12.41 43.81,20.02 42.04,21.79 42.04,26.72 43.83,28.51 45.52,28.51 45.9,28.13 v1(45.9,28.12)
  BOTTOM w0.1: U11.T2 45.22,9.95 43.87,11.3 v1(43.87,12.35) 42.9,12.35 42.61,12.07 42.61,10.79 42.99,10.41 42.99,8.93 R139.1
DDR1_WEN: length 48
  TOP w0.1: v1(50.37,11.6) 50.37,11.6 50.25,11.72 50.25,12.6 49.99,12.86 49.99,13.82 U2.L3
  TOP w0.127: U4.AH21 v1(45.1,28.12)
  SIG_L5 w0.121: v1(41.85,8) 43.05,8 43.6,8.54 44.76,8.54 45.3,8 47.13,8 47.74,8.61 47.74,8.97 v1(50.37,11.6)
  SIG_L10 w0.121: v1(45.1,28.12) 45.02,28.12 44.7,27.81 44.7,26.42 43.18,24.89 43.18,21.84 43.69,21.34 43.69,20.13 45.34,18.48 45.34,15.49 45.47,15.37 46.48,15.37 46.6,15.24 46.6,15.05 46.48,14.92 45.47,14.92 45.34,14.8 45.34,14.61 45.47,14.48 46.48,14.48 46.6,14.35 46.6,14.16 46.48,14.03 45.21,14.03 45.09,13.91 45.09,13.72 45.21,13.59 45.72,13.59 45.85,13.46 45.85,13.02 45.34,12.51 45.34,12.26 45.85,11.75 45.85,11.36 45.85,11.36 45.85,10.86 45.98,10.73 48.51,10.73 48.64,10.86 48.64,11.24 48.77,11.37 48.96,11.37 49.09,11.24 49.09,10.86 49.21,10.73 50.04,10.73 50.36,11.05 50.36,11.6 v1(50.37,11.6)